# Allegro board 038RT-9068CJK8E-A100_0921.brd (continued)
## Routing (per net, layer and track width the routed paths; a pad name or vN(x,y) marks a point on that pad's centre or on a via; arc(x,y) is an arc through that point) (continued)
SG1_GPIOA_0: length 34.2
  L09_SIGNAL w0.105: v2(565.64,209.24) 567.55,211.15 569,211.15 571.28,213.43 581.78,213.43 582.82,214.47 596.15,214.47 v1(597.2,213.42)
SG1_GPIOA_1: length 47.2
  L03_SIGNAL w0.145: v1(596.4,213.42) 596.19,213.62 596.19,215.8 594.74,217.26 594.74,218.96 591.64,222.06 591.64,224.98 v2(584.69,231.92)
  L09_SIGNAL w0.105: v2(584.69,231.92) 583.06,233.55 562.61,233.55 v2(561.83,234.33)
SG1_GPIOA_2: length 44.5
  L03_SIGNAL w0.145: v2(583.42,231.92) 591.04,224.3 591.04,221.81 594.14,218.71 594.14,217.01 595.6,215.55 v1(595.6,213.42)
  L09_SIGNAL w0.105: v2(583.42,231.92) 582.65,231.14 563.88,231.14 v2(563.1,231.92)
SG1_GPIOA_3: length 28.1
  L03_SIGNAL w0.145: v2(580.88,234.33) 581.56,233.65 581.56,231.56 590.4,222.72 590.4,219.77 594.8,215.37 v1(594.8,213.42)
  BOTTOM w0.115: UNK1R552.2 v2(580.88,234.33)
SG1_GPIOB_0: length 27
  L03_SIGNAL w0.102: v1(597.2,212.62) 597.6,213.02 597.6,213.64
  L03_SIGNAL w0.145: v2(588.5,234.33) 589.14,233.69 589.14,231.44 594.12,226.45 594.12,223.74 596.83,221.03 596.83,217.19 597.6,216.42 597.6,213.64
  BOTTOM w0.115: UNK1R264.1 v2(588.5,234.33)
SG1_GPIOB_1: length 27.8
  L03_SIGNAL w0.102: v1(596.4,212.62) 596.8,213.02 596.8,213.64
  L03_SIGNAL w0.145: v2(585.96,234.33) 586.6,233.69 586.6,231.53 592.35,225.77 592.35,223.82 596.03,220.15 596.03,216.86 596.8,216.09 596.8,213.64
  BOTTOM w0.115: UNK1R62.1 v2(585.96,234.33)
SG1_GPIOB_2: length 44.2
  L03_SIGNAL w0.102: v1(595.6,212.62) 595.2,212.22 595.2,211.55 595.07,211.42 590.38,211.42
  L03_SIGNAL w0.145: 590.38,211.42 588.09,211.42 582.13,217.38 578.36,217.38 574.62,221.13 574.62,230.21 573.9,230.93 573.9,232.74 573.04,233.59 568.91,233.59 v2(568.18,234.33)
SG1_GPIOC_0: length 26.7
  L05_SIGNAL w0.102: v1(597.2,211.02) 596.8,211.42 596.8,213.84
  L05_SIGNAL w0.105: v2(592.31,234.33) 592.93,233.71 592.93,230.58 596.08,227.43 596.08,216.71 596.8,215.99 596.8,213.84
  BOTTOM w0.115: UNK1R568.1 v2(592.31,234.33)
SG1_GPIOC_1: length 30
  L03_SIGNAL w0.102: v1(597.2,210.22) 597.6,210.62 598.28,210.62 598.4,210.74 598.4,213.64
  L03_SIGNAL w0.145: 598.4,213.64 598.4,216.52 597.92,217 597.92,221.35 594.91,224.35 594.91,227 590.41,231.5 590.41,233.69 v2(589.77,234.33)
  BOTTOM w0.115: UNK1R569.1 v2(589.77,234.33)
SG1_GPIOC_2: length 28.5
  L05_SIGNAL w0.102: v1(596.4,211.02) 596,211.42 596,213.84
  L05_SIGNAL w0.105: 596,213.84 596,215.76 594.76,216.99 594.76,220.91 587.81,227.86 587.81,233.74 v2(587.23,234.33)
  BOTTOM w0.115: UNK1R570.1 v2(587.23,234.33)
SG1_GPIOC_3: length 32.2
  L03_SIGNAL w0.102: 599.2,213.64 599.2,209.98 599.03,209.82 596.8,209.82 v1(596.4,210.22)
  L03_SIGNAL w0.145: v2(591.04,234.33) 591.68,233.69 591.68,231.5 596.11,227.06 596.11,224.28 598.72,221.68 598.72,217.24 599.2,216.76 599.2,213.64
  BOTTOM w0.115: UNK1R571.1 v2(591.04,234.33)
SG1_GPIOC_4: length 30.3
  L05_SIGNAL w0.102: v1(595.6,211.02) 595.2,211.42 595.2,213.84
  L05_SIGNAL w0.105: v2(582.15,234.33) 582.81,233.67 582.81,231.43 594.08,220.15 594.08,216.86 595.2,215.74 595.2,213.84
  BOTTOM w0.115: UNK1R572.1 v2(582.15,234.33)
SG1_GPIOC_5: length 48.4
  L03_SIGNAL w0.102: 590.38,209.82 595.2,209.82 v1(595.6,210.22)
  L03_SIGNAL w0.145: 590.38,209.82 587.43,209.82 582.17,215.08 577.79,215.08 572.04,220.82 572.04,230.15 570.84,231.35 566.42,231.35 566.28,231.49 566.28,233.69 v2(565.64,234.33)
  BOTTOM w0.115: UNK1R573.1 v2(565.64,234.33)
SG1_GPIOD_0: length 29
  L05_SIGNAL w0.102: v1(594.8,211.02) 594.4,211.42 594.4,213.84
  L05_SIGNAL w0.105: v2(579.61,231.92) 580.21,232.51 581.3,232.51 581.54,232.27 581.54,231.24 592.88,219.9 592.88,217.03 594.4,215.51 594.4,213.84
SG1_GPIOD_1: length 44.3
  L03_SIGNAL w0.102: 590.38,210.62 594.4,210.62 v1(594.8,210.22)
  L03_SIGNAL w0.145: v2(566.91,234.33) 567.54,233.7 567.54,233.37 567.55,233.37 568.18,232.74 571.99,232.74 572.63,232.1 572.63,231.47 572.84,231.25 572.84,221.16 578.12,215.88 582.5,215.88 587.76,210.62 590.38,210.62
SG1_GPIOD_2: length 51
  L07_SIGNAL w0.102: 590.38,206.62 593.6,206.62 v1(594,207.02)
  L07_SIGNAL w0.105: 590.38,206.62 589.9,206.62 588.97,207.55 588.97,210.57 581.97,217.56 579.3,217.56 573.71,223.15 565.49,223.15 559.93,228.71 559.93,233.69 v2(559.29,234.33)
SG1_GPIOE_0: length 50.5
  L03_SIGNAL w0.102: 590.38,209.02 593.6,209.02 v1(594,208.62)
  L03_SIGNAL w0.145: v2(564.37,234.33) 565.01,233.69 565.01,231.35 565.65,230.71 570.21,230.71 571.02,229.9 571.02,214.81 572.28,213.55 578.52,213.55 581.39,210.68 585.19,210.68 586.85,209.02 590.38,209.02
SG1_GPIOE_1: length 51.5
  L03_SIGNAL w0.102: 590.38,208.22 593.6,208.22 v1(594,207.82)
  L03_SIGNAL w0.145: v2(563.1,234.33) 563.74,233.69 563.74,231.64 565.81,229.56 569.45,229.56 570.22,228.79 570.22,214.48 571.95,212.75 578.18,212.75 581.06,209.88 584.86,209.88 586.52,208.22 590.38,208.22
SG1_GPIOE_2: length 45.1
  L07_SIGNAL w0.102: 595.2,213.84 595.2,209.02 v1(595.6,208.62)
  L07_SIGNAL w0.105: v2(566.91,231.92) 571.3,227.53 588.24,227.53 591.67,224.1 591.67,217.54 595.2,214.02 595.2,213.84
SG1_GPIOE_3: length 44.8
  L07_SIGNAL w0.102: 596,213.84 596,209.02 v1(596.4,208.62)
  L07_SIGNAL w0.105: v2(568.18,231.92) 571.94,228.16 588.69,228.16 592.44,224.42 592.44,217.86 596,214.3 596,213.84
SG1_GPIOE_4: length 47.8
  L07_SIGNAL w0.102: 594.25,213.84 594.4,213.69 594.4,209.02 v1(595.6,207.82)
  L07_SIGNAL w0.105: v2(564.37,231.92) 564.84,231.92 569.8,226.96 587.68,226.96 590.87,223.77 590.87,217.21 594.25,213.84
SG1_GPIOF_0: length 50.9
  L07_SIGNAL w0.102: v1(596.4,207.82) 596.8,208.22 596.8,213.84
  L07_SIGNAL w0.105: v2(569.45,234.33) 570.09,233.69 570.09,231.24 571.92,229.4 591.55,229.4 594.12,226.83 594.12,217.04 596.8,214.36 596.8,213.84
  BOTTOM w0.115: UNK1R577.1 v2(569.45,234.33)
SG1_GPIOF_1: length 50.4
  L07_SIGNAL w0.102: v1(597.2,207.82) 597.6,208.22 597.6,213.84
  L07_SIGNAL w0.105: v2(570.72,234.33) 571.36,233.69 571.36,231.55 572.86,230.05 592.04,230.05 594.92,227.17 594.92,217.21 597.6,214.54 597.6,213.84
  BOTTOM w0.115: UNK1R576.1 v2(570.72,234.33)
SG1_GPIOF_2: length 50.5
  L07_SIGNAL w0.102: v1(598,207.82) 598.4,208.22 598.4,213.84
  L07_SIGNAL w0.105: v2(571.99,234.33) 572.63,233.69 572.63,231.77 573.67,230.73 593.33,230.73 596.01,228.06 596.01,217.04 598.4,214.66 598.4,213.84
  BOTTOM w0.115: UNK1R575.1 v2(571.99,234.33)
SG1_GPIOF_3: length 50.3
  L07_SIGNAL w0.102: v1(598.8,207.82) 599.2,208.22 599.2,213.84
  L07_SIGNAL w0.105: v2(573.26,234.33) 573.9,233.69 573.9,231.68 574.24,231.34 593.86,231.34 596.81,228.39 596.81,217.28 599.2,214.89 599.2,213.84
  BOTTOM w0.115: UNK1R574.1 v2(573.26,234.33)
SG1_GPIOF_4: length 51.1
  L07_SIGNAL w0.102: v1(595.6,207.02) 595.2,207.42 590.38,207.42
  L07_SIGNAL w0.105: 590.38,207.42 590.23,207.42 589.77,207.88 589.77,210.9 582.3,218.36 579.63,218.36 574.04,223.95 565.82,223.95 561.2,228.57 561.2,233.69 v2(560.56,234.33)
SG1_HL_P1_TXD0: length 7.5
  BOTTOM w0.115: UNK1K225.2 535.35,199.26 538.9,199.26 539.11,199.04 UNK1RRG52.1 UNK1RRG51.1
SG1_HL_P1_TXD1: length 7.5
  BOTTOM w0.115: UNK1RRG53.1 UNK1RRG54.1 539.16,200.33 538.9,200.07 535.4,200.07 UNK1K225.7
SG1_HL_P1_TXD2: length 7.5
  BOTTOM w0.115: UNK1RRG55.1 UNK1RRG56.1 539.11,205.39 538.9,205.61 535.35,205.61 UNK1K226.2
SG1_HL_P1_TXD3: length 7.5
  BOTTOM w0.115: UNK1RRG57.1 UNK1RRG58.1 539.16,206.68 538.9,206.42 535.4,206.42 UNK1K226.7
SG1_HL_P5_TXD0: length 7.5
  BOTTOM w0.115: UNK1K227.2 535.35,186.56 538.9,186.56 539.11,186.34 UNK1RRG92.1 UNK1RRG91.1
SG1_HL_P5_TXD1: length 7.5
  BOTTOM w0.115: UNK1K227.7 535.4,187.37 538.9,187.37 539.16,187.63 UNK1RRG94.1 UNK1RRG93.1
SG1_HL_P5_TXD2: length 7.5
  BOTTOM w0.115: UNK1RRG95.1 UNK1RRG96.1 539.11,192.69 538.9,192.91 535.35,192.91 UNK1K228.2
SG1_HOLD: length 40.3
  L03_SIGNAL w0.102: 596,198.7 596,201.02 v1(595.6,201.42)
  L03_SIGNAL w0.145: v1(626.58,187.83) 622.67,191.74 622.67,192.75 622.19,193.22 619.02,193.22 615.72,196.53 606.92,196.53 606.33,195.93 602.1,195.93 601.46,195.29 598.21,195.29 596,197.5 596,198.7
SG1_INH: length 25.5
  L05_SIGNAL w0.102: v1(598.8,211.02) 598.4,211.42 598.4,213.84
  L05_SIGNAL w0.105: v2(593.58,234.33) 594.15,233.76 594.15,231.52 598.05,227.62 598.05,216.85 598.4,216.5 598.4,213.84
SG1_LDOIN: length 20.3
  TOP w0.508: SG1_LDOIN.1 565.43,198.02 571.92,198.02 572.33,198.44 580.48,198.44 581.48,199.44 v1(582.78,199.44)
  vias: v1(583.41,199.44) v1(598,208.62) v1(598.8,208.62) v1(598.8,204.62) v1(598.8,203.82) v1(599.6,204.62) v1(599.6,203.82)
SG1_MCT1: length 5
  TOP w0.115: UNK1T13.2 v2(633.45,108.18)
  L03_SIGNAL w0.145: v2(633.45,108.18) v2(636.62,108.18)
  BOTTOM w0.115: UNK1R135.1 v2(636.62,108.18)
SG1_MCT2: length 11.9
  TOP w0.115: UNK1T13.7 v2(639.8,108.18)
  L03_SIGNAL w0.145: v2(630.59,108.18) 631.63,109.22 638.76,109.22 v2(639.8,108.18)
  BOTTOM w0.115: UNK1R136.1 v2(630.59,108.18)
SG1_MCT_RC: length 8.7
  L03_SIGNAL w0.145: v2(628.37,106.93) 628.7,106.59 v2(630.59,106.59) 630.91,106.91 636.3,106.91 v2(636.62,106.59)
SG1_NGATE: length 27.1
  L05_SIGNAL w0.102: 602.4,213.84 602.4,210.73 602.29,210.62 601.6,210.62 v1(601.2,210.22)
  L05_SIGNAL w0.105: v2(597.39,234.33) 602.4,229.32 602.4,213.84
SG1_P0_LDOOUT: length 1.8
  TOP w0.508: UNK1CG101.1 602.46,234.32 v2(602.47,234.33)
  vias: v1(599.6,208.62) v1(599.6,207.82)
SG1_P0_LED: length 26.8
  L05_SIGNAL w0.102: 600.06,198.6 600,198.66 600,201.82 v1(599.6,202.22)
  L05_SIGNAL w0.105: v2(603.74,177.18) 603.74,183.55 601.46,185.84 601.46,195.28 600.13,196.6 600.13,198.53 600.06,198.6
SG1_P0_MDI+: length 23.4
  TOP w0.105: v1(605.2,211.82) 605.36,211.99 605.98,211.99 606.36,212.37 606.36,214.5 608.36,216.5 617.31,216.5 620.7,219.9 623.41,219.9 623.8,219.51 UNK1T2.4
SG1_P0_MDI-: length 23.4
  TOP w0.105: v1(605.2,212.62) 605.36,212.45 605.79,212.45 605.89,212.56 605.89,214.69 608.17,216.97 617.11,216.97 620.5,220.36 623.41,220.36 UNK1T2.3
SG1_P0_RXC: length 136.4
  L09_SIGNAL w0.105: v1(600.4,213.42) 597.63,216.19 584.17,216.19 581.99,218.37 578.62,218.37 570.88,226.11 565.92,226.11 v2(563.74,228.29)
  L13_SIGNAL w0.105: UNK1K181.7 502.84,230.14 523.04,230.14 524.7,231.8 526.85,231.8 527.92,230.73 527.92,221.25 529.89,219.27 558,219.27 561.15,216.12 561.15,213.73 561.58,213.29 563.09,213.29 563.56,213.77 563.56,216.89 564.66,217.99 564.66,227.36 v2(563.74,228.29)
SG1_P0_RXD0: length 162
  L09_SIGNAL w0.102: 590.38,210.62 597.45,210.62 597.6,210.77 597.6,212.22 v1(598,212.62)
  L09_SIGNAL w0.105: 590.38,210.62 586.02,210.62 584.32,208.92 573.58,208.92 569.32,204.67 565.52,204.67 v2(563.74,202.89)
  L13_SIGNAL w0.105: v2(563.74,202.89) 564.6,203.76 564.6,216.43 566.5,218.33 566.5,228.66 565.67,229.49 562.33,229.49 561.5,228.66 561.5,225.82 560.76,225.07 558.29,225.07 557.61,225.75 557.61,228.84 557,229.45 544.43,229.45 542.36,231.53 542.36,234.26 540.18,236.44 527.64,236.44 526.44,235.24 495.95,235.24 491.1,230.39 487.32,230.39 UNK1K180.7
SG1_P0_RXD1: length 149.8
  L09_SIGNAL w0.105: v1(598,213.42) 596.35,215.06 579.24,215.06 574.17,220.13 565.55,220.13 v2(563.74,221.94)
  L13_SIGNAL w0.105: v2(563.74,221.94) 546.39,221.94 545.48,222.85 545.48,224.5 546.24,225.26 550.84,225.26 551.24,225.66 551.24,227.96 550.82,228.37 541.75,228.37 537.55,224.18 532.3,224.18 531.4,225.07 531.4,228.04 532.11,228.75 534.8,228.75 535.78,229.74 535.78,233.22 535.32,233.68 496.29,233.68 495.66,233.05 495.66,230.78 496.07,230.37 499.86,230.37 UNK1K181.2
SG1_P0_RXD2: length 140.9
  L09_SIGNAL w0.102: v1(598.8,212.62) 598.4,212.22 598.4,209.16 598.25,209.02 590.54,209.02 590.54,209.02 590.38,209.02
  L09_SIGNAL w0.105: 590.38,209.02 586.68,209.02 584.98,207.32 580.86,207.32 579.08,205.53 572.23,205.53 571.43,204.73 571.43,203.2 569.8,201.56 567.49,201.56 v2(565.64,199.72)
  L13_SIGNAL w0.105: v2(565.64,199.72) 564.91,198.98 562.86,198.98 562.31,199.53 562.31,202.58 560.87,204.02 550.11,204.02 545.51,208.63 545.51,210.7 546.24,211.43 556.51,211.43 557.25,212.17 557.25,216.6 556.43,217.43 531.99,217.43 528.7,214.14 513.57,214.14 512.56,215.16 512.56,217.37 513.12,217.93 515.6,217.93 UNK1K182.2
SG1_P0_RXD3: length 155.7
  L09_SIGNAL w0.105: v1(598.8,213.42) 596.59,215.62 583.94,215.62 581.75,217.81 577.78,217.81 570.48,225.12 v2(569.45,225.12)
  L13_SIGNAL w0.105: v2(569.45,225.12) 570.73,223.84 570.73,193.41 569.56,192.24 563.9,192.24 563.23,192.91 556.58,192.91 555.83,193.66 555.83,199.69 555.34,200.17 551.81,200.17 538.77,213.22 501.78,213.22 500.07,214.93 500.07,218.16 UNK1K183.2
SG1_P0_RXDV: length 160.5
  L09_SIGNAL w0.102: 590.38,208.22 590.54,208.22 590.54,208.22 598.99,208.22 599.2,208.42 599.2,212.22 v1(599.6,212.62)
  L09_SIGNAL w0.105: 590.38,208.22 587.02,208.22 585.32,206.52 581.2,206.52 579.41,204.73 572.57,204.73 572.23,204.4 572.23,202.86 570.13,200.76 568.6,200.76 v2(567.55,199.72)
  L13_SIGNAL w0.105: UNK1K180.2 490.83,237.1 540.59,237.1 543.41,234.28 543.41,231.63 544.61,230.43 566.57,230.43 568.53,228.47 568.53,218.2 567.67,217.34 567.67,210.77 566.61,209.71 566.61,200.66 v2(567.55,199.72)
SG1_P0_TESTD: length 21.1
  L05_SIGNAL w0.102: v1(600.4,212.62) 600,213.02 600,213.84
  L05_SIGNAL w0.105: 600,213.84 600,227.39 596.12,231.27 v2(596.12,231.92)
SG1_P0_TXC: length 114.7
  L09_SIGNAL w0.102: 590.38,207.42 590.54,207.42 590.54,207.42 601.42,207.42 601.6,207.6 601.6,212.22 v1(602,212.62)
  L09_SIGNAL w0.105: 590.38,207.42 589.97,207.42 586.06,203.51 574.08,203.51 570.28,199.72 v2(569.45,199.72)
  L11_SIGNAL w0.105: v2(569.45,199.72) 570.75,201.02 570.75,215.44 570.06,216.14 566.15,216.14 564.99,217.3 555.32,217.3 552.25,220.37 529.47,220.37 525.77,224.07 518.92,224.07 UNK1K233.2
SG1_P0_TXD0: length 117.9
  L09_SIGNAL w0.102: 590.38,206.62 590.54,206.62 590.54,206.62 602.24,206.62 602.4,206.78 602.4,212.22 v1(602.8,212.62)
  L09_SIGNAL w0.105: v2(565.64,196.54) 567.51,198.41 570.38,198.41 574.69,202.71 586.29,202.71 590.19,206.62 590.38,206.62
  L11_SIGNAL w0.105: UNK1K182.7 517.23,214.88 518.05,214.05 524.26,214.05 528.33,218.12 550.34,218.12 551.24,217.23 551.24,214.11 551.81,213.54 554.22,213.54 557.82,209.94 560.72,209.94 561.74,210.96 563.86,210.96 564.54,210.28 564.54,197.64 v2(565.64,196.54)
SG1_P0_TXD1: length 142.6
  L09_SIGNAL w0.105: v1(602.8,213.42) 602.8,216.59 600.7,218.69 592.34,218.69 583.29,227.73 570.01,227.73 v2(569.45,228.29)
  L11_SIGNAL w0.105: UNK1K231.7 499.83,220.93 497.08,220.93 496.55,221.46 496.55,223.77 497.14,224.37 506.63,224.37 509.17,226.9 541.19,226.9 544.19,223.9 553.29,223.9 554.73,222.47 554.73,219.57 556.31,217.99 569.76,217.99 571.94,220.16 571.94,227.55 571.2,228.29 v2(569.45,228.29)
SG1_P0_TXD2: length 116.7
  L09_SIGNAL w0.102: v1(603.6,212.62) 603.2,212.22 603.2,206 603.02,205.82 590.54,205.82 590.54,205.82 590.52,205.82 590.38,205.67
  L09_SIGNAL w0.105: v2(567.55,196.54) 568.62,197.61 570.72,197.61 575.02,201.91 586.62,201.91 590.38,205.67
  L11_SIGNAL w0.105: v2(567.55,196.54) 566.76,197.33 566.76,210.35 565.06,212.05 557.5,212.05 556.73,212.81 556.73,215.54 556.09,216.19 555.08,216.19 552.04,219.22 528.99,219.22 527.33,220.88 518.91,220.88 UNK1K233.7
SG1_P0_TXD3: length 111.3
  L09_SIGNAL w0.105: v1(603.6,213.42) 603.6,217.27 600.52,220.35 593.03,220.35 583.98,229.4 568.66,229.4 v2(567.55,228.29)
  L11_SIGNAL w0.105: UNK1K232.2 518.62,230.58 522.87,230.58 524.91,228.53 543.74,228.53 545.25,227.02 553.71,227.02 557.38,223.35 557.38,220.36 558.25,219.49 560.1,219.49 561.25,220.63 561.25,228.08 562.27,229.1 566.74,229.1 v2(567.55,228.29)
SG1_P0_TXEN: length 111.1
  L09_SIGNAL w0.105: v2(565.64,228.29) 567.22,226.72 571.32,226.72 579.06,218.98 582.24,218.98 584.42,216.8 600.62,216.8 602,215.42 v1(602,213.42)
  L11_SIGNAL w0.105: UNK1K232.7 518.49,227.51 543.46,227.51 546.13,224.85 554.65,224.85 555.91,223.59 555.91,219.72 556.82,218.81 566.92,218.81 568.53,220.42 568.53,225.41 v2(565.64,228.29)
SG1_P0_VDDIO: length 0.8
  BOTTOM w0.508: v1(604.4,213.42) 604.4,214.2 UNK1CG138.1
  vias: v1(601.2,213.42) v1(601.2,212.62) v1(607.11,218.06) v1(607.11,217.43)
SG1_P1_LDOOUT: length 28.3
  L05_SIGNAL w0.102: v1(597.2,203.82) 596.8,203.42 590.38,203.42
  L05_SIGNAL w0.105: 590.38,203.42 589.72,203.42 589,202.7 569.64,202.7 v2(569.45,202.89)
  vias: v1(598,203.82)
SG1_P1_LED: length 25
  L05_SIGNAL w0.102: v1(598.8,201.42) 598.4,201.02 598.4,198.6
  L05_SIGNAL w0.105: v2(599.93,177.18) 599.72,177.39 599.72,194.56 598.4,195.88 598.4,198.6
SG1_P1_MDI+: length 30.2
  L46_SIGNAL w0.102: 605.62,211.59 605.59,211.59 605.42,211.42 604.8,211.42 v1(604.4,211.02)
  L46_SIGNAL w0.136: v1(623.8,224.72) 623.8,224.9 623.59,225.11 621.3,225.11 620.6,224.41 620.6,218.29 618.74,216.43 609.19,216.43 607.27,214.51 607.27,212.66 606.21,211.59 605.62,211.59
SG1_P1_MDI-: length 30.2
  L46_SIGNAL w0.102: 605.62,212.05 605.59,212.05 605.42,212.22 604.8,212.22 v1(604.4,211.82)
  L46_SIGNAL w0.136: 605.62,212.05 606.02,212.05 606.82,212.85 606.82,214.7 609,216.88 618.56,216.88 620.15,218.48 620.15,224.6 621.11,225.56 623.57,225.56 623.8,225.79 v1(623.8,225.97)
SG1_P1_RXC: length 67.4
  L07_SIGNAL w0.102: 593.59,197.92 593.59,199.18 593.59,199.19 593.59,199.41 v1(594,199.82)
  L07_SIGNAL w0.105: v2(567.55,190.19) 568.6,191.24 570.13,191.24 570.49,191.6 570.49,193.3 570.99,193.8 572.39,193.8 572.61,193.58 572.61,191.07 573.04,190.64 573.76,190.64 574.1,190.97 574.1,193.48 574.47,193.86 575.9,193.86 576.12,193.64 576.12,185.27 579.16,182.23 585.83,182.23 v1(586.33,182.74) 586.33,190.23 590.64,194.54 590.64,195.23 590.31,195.56 586.3,195.56 585.86,196 585.86,196.55 586.16,196.84 592.95,196.84 593.59,197.49 593.59,197.92
  BOTTOM w0.115: v1(586.33,182.74) UNK1RR504.2
SG1_P1_RXD0: length 60.4
  L07_SIGNAL w0.102: 595.04,198.6 595.04,198.71 595.19,198.86 595.19,199.27 595.33,199.41 595.99,199.41 v1(596.4,199.82)
  L07_SIGNAL w0.105: v2(567.55,193.37) 566.89,192.7 566.89,190.18 568.24,188.82 569.86,188.82 578.74,179.94 592.59,179.94 593.05,180.39 593.05,182.12 v1(592.43,182.74) 591.92,182.23 590.11,182.23 589.56,182.78 589.56,183.72 591.93,186.09 591.93,193.24 595.04,196.35 595.04,198.6
  BOTTOM w0.115: v1(592.43,182.74) UNK1RR500.2
SG1_P1_RXD1: length 62.5
  L07_SIGNAL w0.102: 596.4,198.6 v1(596.4,199.02)
  L07_SIGNAL w0.105: v1(590.4,182.74) 591.07,183.41 594.77,183.41 595.98,182.2 596.74,182.2 597.08,182.54 597.08,183.5 596.37,184.21 596.37,190.51 596.4,190.54 596.4,198.6
  L09_SIGNAL w0.105: v1(590.4,182.74) 590.2,182.74 589.02,183.91 584.05,183.91 583.29,183.15 579.56,183.15 579.36,182.95 579.36,182.54 579.61,182.29 581.49,182.29 581.71,182.07 581.71,181.67 581.48,181.43 565.26,181.43 564.72,181.98 564.72,186.09 v2(565.64,187.02)
  BOTTOM w0.115: v1(590.4,182.74) UNK1RR501.2
SG1_P1_RXD2: length 55.3
  L07_SIGNAL w0.102: 596.79,198.6 596.79,200.04 596.62,200.22 595.99,200.22 v1(595.6,199.82)
  L07_SIGNAL w0.105: v2(569.45,187.02) 570.88,187.02 578.51,179.38 593.09,179.38 593.78,180.07 593.78,182.06 v1(594.46,182.74) 596,181.2 597.38,181.2 597.82,181.64 597.82,197.28 596.79,198.3 596.79,198.6
  BOTTOM w0.115: v1(594.46,182.74) UNK1RR502.2
SG1_P1_RXD3: length 50.4
  L07_SIGNAL w0.102: 595.6,198.6 v1(595.6,199.02)
  L07_SIGNAL w0.105: v1(596.49,182.74) 595.2,184.03 594.74,184.03 594.29,184.48 594.29,186.55 595.6,187.86 595.6,198.6
  L09_SIGNAL w0.105: v1(596.49,182.74) 595.72,183.51 590.85,183.51 589.89,184.47 579.27,184.47 577.38,182.57 571.99,182.57 v2(567.55,187.02)
  BOTTOM w0.115: v1(596.49,182.74) UNK1RR503.2
SG1_P1_RXDV: length 66.1
  L07_SIGNAL w0.102: 594.4,197.92 594.4,199.43 v1(594.8,199.82)
  L07_SIGNAL w0.105: v2(569.45,190.19) 578.55,181.1 588.9,181.1 589.19,181.39 589.19,181.91 v1(588.37,182.74) 587.5,183.61 587.5,189.22 587.72,189.44 588.13,189.44 588.34,189.23 588.34,185.14 588.61,184.87 588.97,184.87 589.15,185.05 589.15,190.75 589.38,190.99 589.8,190.99 590.04,190.75 590.04,186.16 590.28,185.92 590.67,185.92 591,186.25 591,193.73 594.4,197.14 594.4,197.92
  BOTTOM w0.115: v1(588.37,182.74) UNK1RR505.2
SG1_P1_TESTD: length 24.3
  L05_SIGNAL w0.102: 592,198.6 592,199.42 v1(592.4,199.82)
  L05_SIGNAL w0.105: 592,198.6 592,196.04 590.7,194.73 590.7,183.97 589.71,182.98 589.71,178.38 v2(588.5,177.18)
SG1_P1_TXC: length 209.8
  L07_SIGNAL w0.105: v2(565.64,190.19) 565.03,190.81 565.03,193.58 566.01,194.56 580.3,194.56 580.58,194.84 580.58,196.23 580.26,196.55 578.72,196.55 578.3,196.97 578.3,198.02 578.69,198.41 584.23,198.41 584.84,197.8 592.43,197.8 593.2,198.56 v1(593.2,199.02)
  L15_SIGNAL w0.105: v1(441.05,224.7) 465.99,224.7 480.72,209.97 534.06,209.97 534.44,210.34 534.44,211.01 534.02,211.43 525.08,211.43 524.9,211.62 524.9,212.19 525.08,212.38 538.31,212.38 538.89,211.8 538.89,203.57 540.14,202.32 548.42,202.32 549.94,200.8 554.01,200.8 562.76,192.05 562.76,189.36 563.37,188.74 565.21,188.74 565.64,189.18 v2(565.64,190.19)
  BOTTOM w0.115: v1(441.05,224.7) UNK1RR524.2
SG1_P1_TXD0: length 106.2
  L09_SIGNAL w0.105: v1(591.6,199.02) 590.98,198.4 580.03,198.4 577.78,196.14 574.4,196.14 570.25,192 562.92,192 562.1,191.18 559.31,191.18 559,191.49 557.86,191.49 557.46,191.08 555.48,191.08 554.81,191.75 551.76,191.75 551.28,192.24 551.28,210.41 550.69,210.99 547.42,210.99 545.2,213.22 542.9,213.22 542.16,212.48 542.16,208.99 548.17,202.98 548.17,200.03 544.85,196.71 533.35,196.71 SG1_P1_TXD0.1
SG1_P1_TXD1: length 97.9
  L09_SIGNAL w0.102: 590.38,199.27 590.49,199.27 590.63,199.41 591.19,199.41 v1(591.6,199.82)
  L09_SIGNAL w0.105: 590.38,199.27 586.72,199.27 586.41,198.96 579.8,198.96 577.66,196.81 574.28,196.81 570.02,192.55 557.07,192.55 556.2,193.43 556.2,212.26 555.18,213.28 550.76,213.28 548.91,215.12 539.81,215.12 539.05,214.37 539.05,200.84 537.97,199.75 533.52,199.75 SG1_P1_TXD1.1
SG1_P1_TXD2: length 101.3
  L09_SIGNAL w0.105: SG1_P1_TXD2.1 533.21,203.21 534.9,203.21 535.7,204.01 535.7,208.35 534.14,209.91 534.14,218.41 534.86,219.13 559.68,219.13 561.33,217.47 561.33,200.7 562.99,199.05 562.99,195.25 563.8,194.44 569.74,194.44 569.77,194.46 569.85,194.46 573.25,197.87 577.93,197.87 580.18,200.12 585.72,200.12 586.03,199.82 v1(590.8,199.82)
SG1_P1_TXD3: length 114.3
  L09_SIGNAL w0.102: v1(591.6,200.62) 591.19,201.03 584.7,201.03
  L09_SIGNAL w0.105: SG1_P1_TXD3.1 530.56,206.21 526.39,206.21 523.88,208.72 523.88,219.01 525.02,220.15 561.75,220.15 562.65,219.25 562.65,201.01 563.85,199.81 563.85,195.85 564.68,195.02 569.62,195.02 573.02,198.42 577.7,198.42 579.97,200.7 584.37,200.7 584.7,201.03
SG1_P1_TXEN: length 201.6
  L07_SIGNAL w0.105: v1(592.4,199.02) 592.4,198.7 592.12,198.42 585.3,198.42 584.99,198.73 584.99,199.11 585.23,199.35 589.14,199.35 589.38,199.59 589.38,200.14 589.14,200.38 568.97,200.38 568.63,200.03 568.63,199.24 568.93,198.94 571.55,198.94 571.85,198.64 571.85,197.71 571.6,197.46 564.38,197.46 563.74,196.82 v2(563.74,190.19)
  L15_SIGNAL w0.105: v2(563.74,190.19) 563.74,198.08 559.15,202.67 550.45,202.67 549.25,203.87 543.16,203.87 542.03,205 542.03,212.27 541.13,213.17 481.21,213.17 467.65,226.73 v1(441.05,226.73)
  BOTTOM w0.115: v1(441.05,226.73) UNK1RR525.2
SG1_P1_VDDIO:
  vias: v1(593.2,199.82) v1(593.21,193.23) v1(593.21,192.6) v1(593.75,194.06) v1(594,200.62) v1(594,199.02)
SG1_P2_GIGA_MDI+: length 23.8
  TOP w0.105: GOLD1.A16 605.36,201.59 628.34,201.59 UNK1T24.4
SG1_P2_GIGA_MDI-: length 23.8
  TOP w0.105: UNK1T24.3 628.34,202.05 605.36,202.05 GOLD1.A15
SG1_P2_LED: length 26.4
  L05_SIGNAL w0.102: v1(598.8,202.22) 599.2,201.82 599.2,198.7 599.1,198.6
  L05_SIGNAL w0.105: 599.1,198.6 599.02,198.53 599.02,196.14 600.35,194.82 600.35,185.1 601.84,183.61 v2(601.84,177.18)
SG1_P3_GIGA_MDI+: length 25
  TOP w0.105: UNK1T25.4 628.34,196.95 619.55,196.95 617.6,198.9 607.26,198.9 606.17,199.99 605.36,199.99 GOLD1.A18
SG1_P3_GIGA_MDI-: length 25
  TOP w0.105: GOLD1.A17 605.36,200.45 606.36,200.45 607.45,199.36 617.8,199.36 619.75,197.41 628.34,197.41 UNK1T25.3
SG1_P3_LED: length 25.4
  L05_SIGNAL w0.102: 597.6,198.6 597.6,201.82 v1(598,202.22)
  L05_SIGNAL w0.105: v2(598.03,177.18) 598.03,194.92 597.6,195.35 597.6,198.6
SG1_P4_HSI+: length 43.8
  L46_SIGNAL w0.136: v3(561.11,186.99) 561.29,186.8 arc(561.48,186.68) 561.7,186.63 562.09,186.63 arc(562.18,186.65) 562.25,186.7 564.22,188.67 arc(564.44,188.82) 564.7,188.87 569.73,188.87 arc(569.82,188.89) 569.89,188.94 572.81,191.86 arc(572.86,191.94) 572.88,192.02 572.88,201.72 arc(572.93,201.98) 573.08,202.2 573.75,202.87 arc(573.97,203.02) 574.23,203.07 586.84,203.07 arc(586.93,203.09) 587.01,203.14 587.7,203.83 arc(587.92,203.98) 588.18,204.03 590.72,204.03 arc(590.98,204.08) 591.2,204.23 v1(591.6,204.62)
SG1_P4_HSI-: length 43.8
  L46_SIGNAL w0.136: v1(591.6,203.82) 591.47,203.69 arc(591.34,203.61) 591.19,203.58 588.18,203.58 arc(588.09,203.56) 588.02,203.51 587.33,202.82 arc(587.1,202.67) 586.84,202.62 574.23,202.62 arc(574.14,202.6) 574.07,202.55 573.4,201.88 arc(573.35,201.81) 573.33,201.72 573.33,192.02 arc(573.28,191.76) 573.13,191.54 570.21,188.62 arc(569.99,188.47) 569.73,188.42 564.7,188.42 arc(564.62,188.4) 564.54,188.35 563.98,187.79 arc(563.89,187.67) 563.87,187.52 563.87,187.49 arc(563.84,187.36) 563.77,187.25 563.72,187.21 arc(563.62,187.14) 563.49,187.11 563.45,187.11 arc(563.31,187.08) 563.19,187 562.57,186.38 arc(562.35,186.23) 562.09,186.18 561.7,186.18 arc(561.48,186.14) 561.29,186.01 v3(561.11,185.82)
